# Altium PCB mppt.PcbDoc (part 2 of 3) (continued)
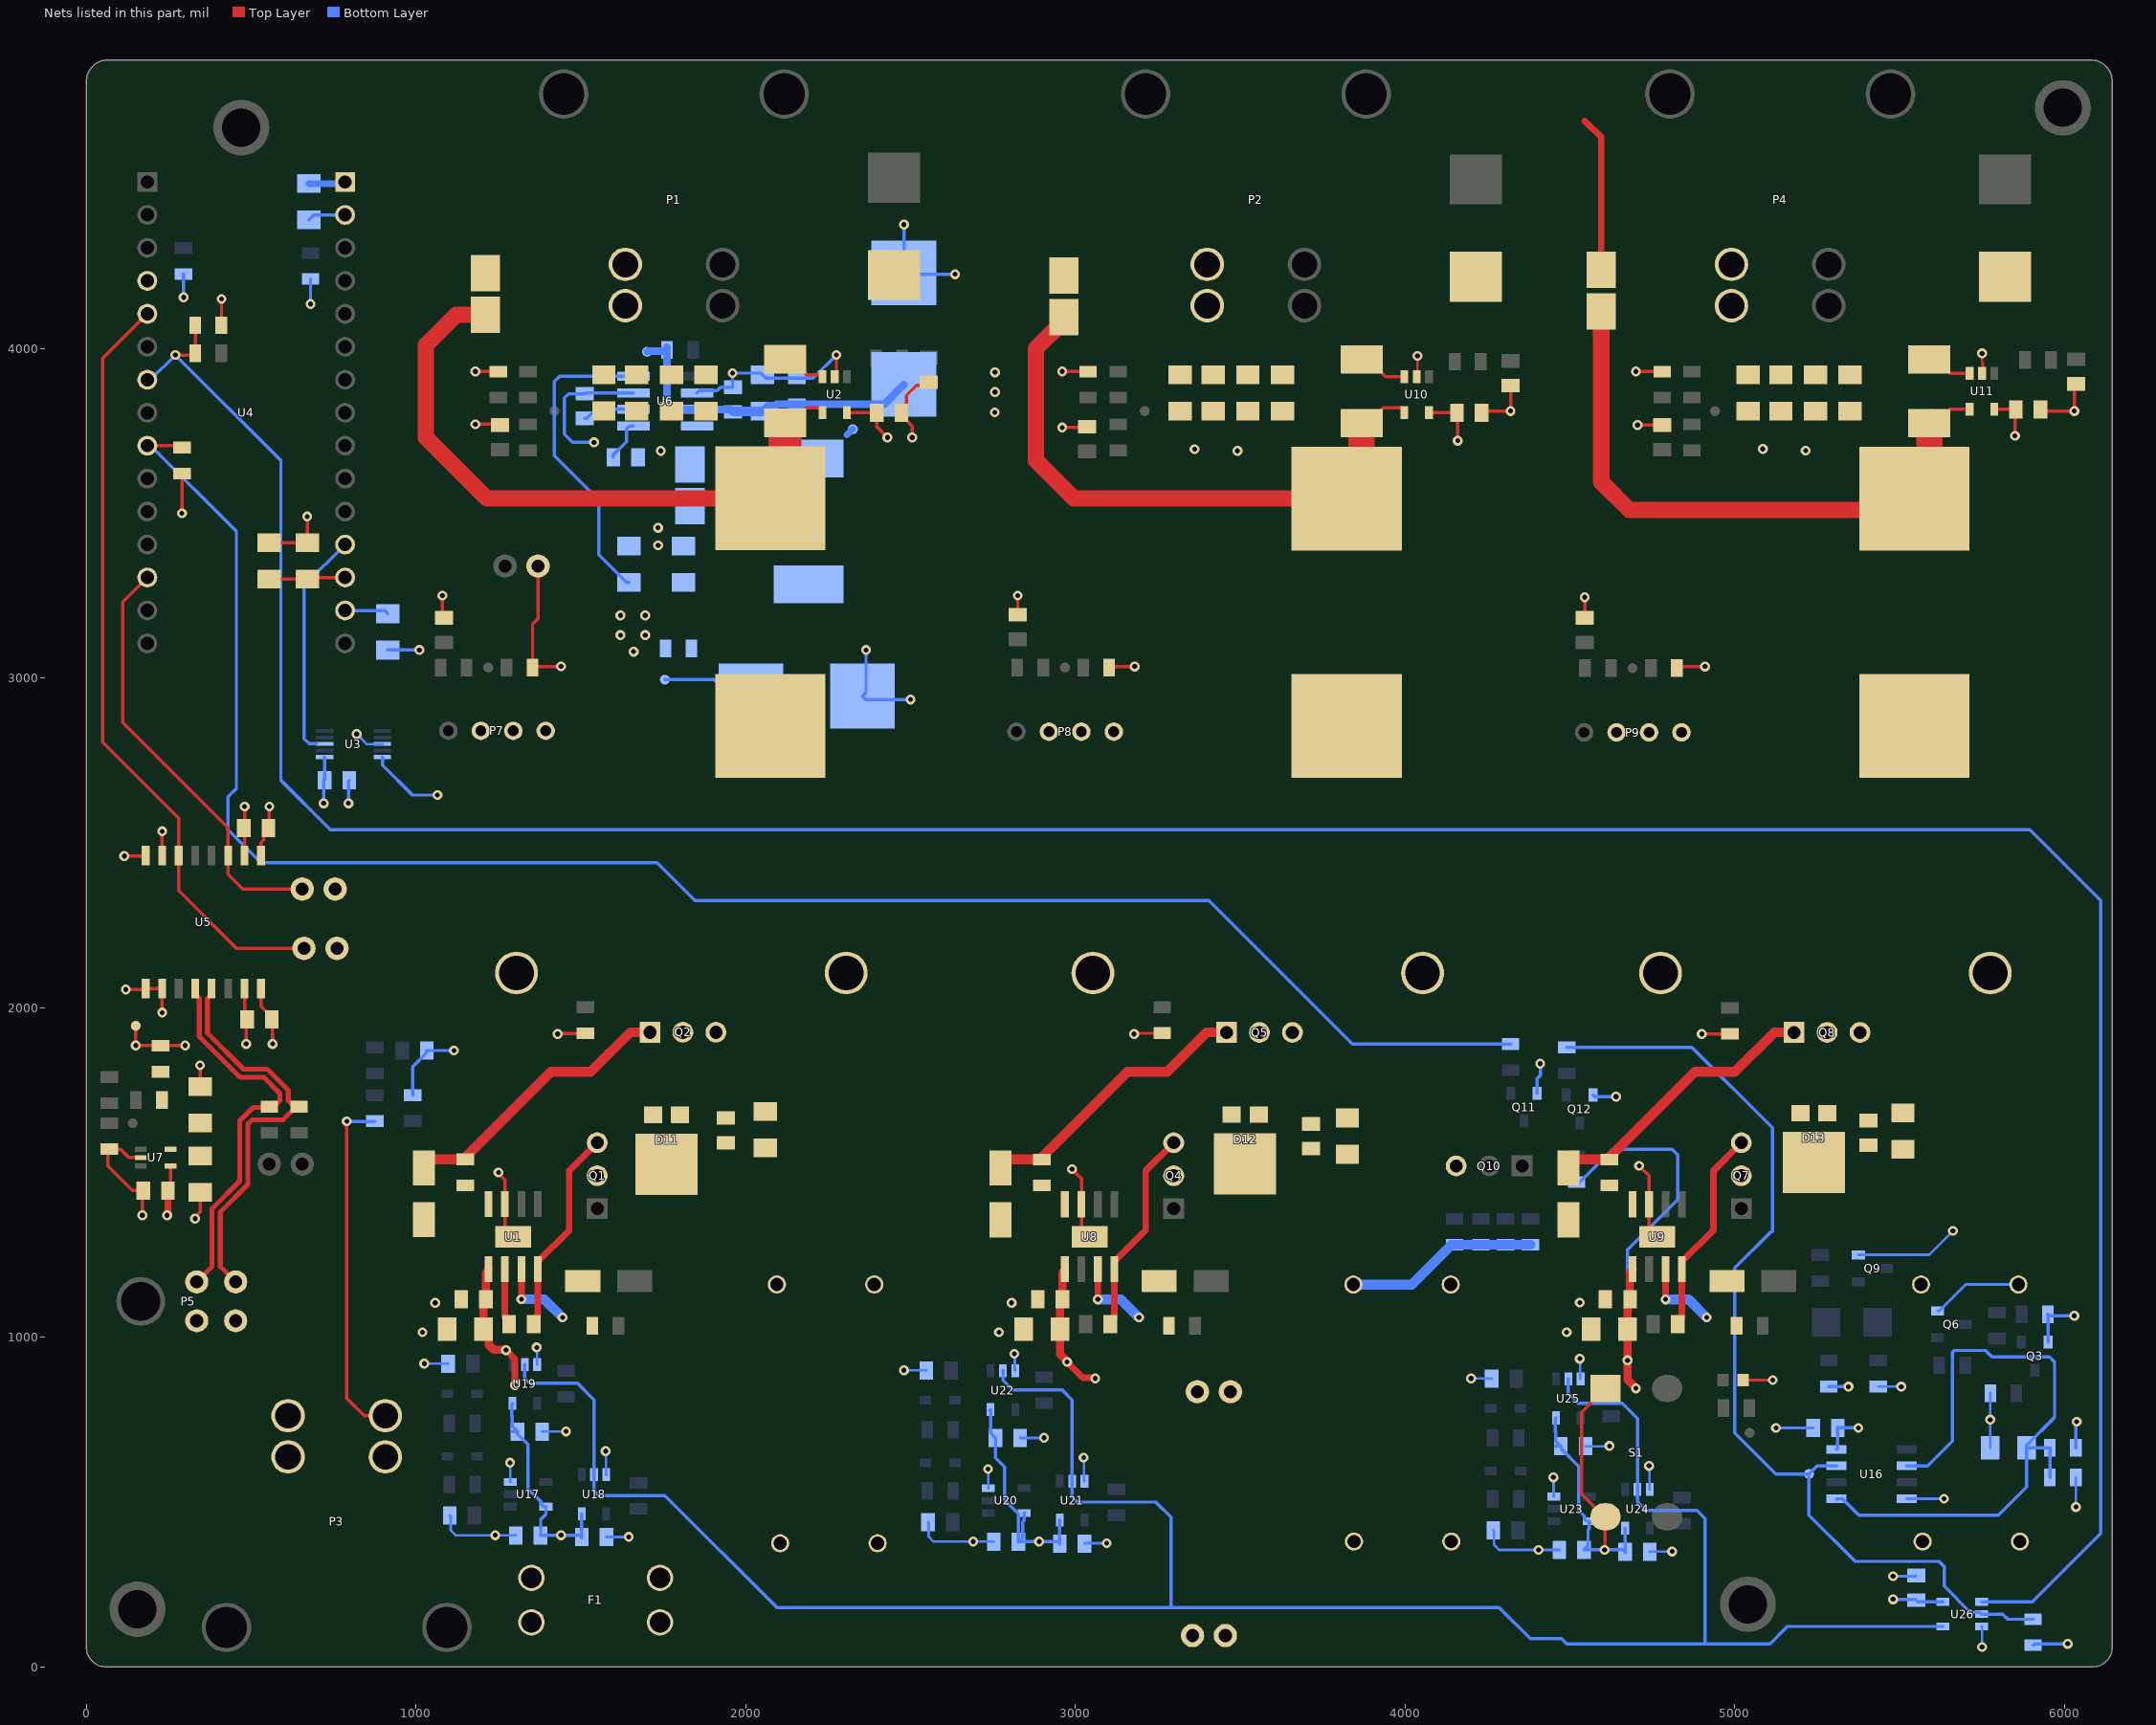
[diagram p4: the nets of this part, all layers, seen from the top]
## Part data (continued)
U17 U20 U23: "Inverter, AHC/VHC/H/U/V Series, 1-Func, 1-Input, CMOS, PDSO5", Load Capacitance (CL)=50pF, Manufacturer="Texas Instruments", Max Operating Temperature=125°C, Min Operating Temperature=-40°C, Package Body Material=Plastic, Package Code=LSSOP, Package Equivalence Code=TSOP5/6,.11,37, Package Shape=Rectangular, Package Style="SMALL OUTLINE, LOW PROFILE, SHRINK PITCHMeter", Peak Reflow Temperature (Cel)=260°C, Power Supplies=2/5.5V, Supply Voltage-Max (Vsup)=5.5V, Supply Voltage-Min (Vsup)=2V, Supply Voltage-Nom (Vsup)=3.3V, Temperature Grade=AUTOMOTIVE, Category="Logic Gates", ComponentLink1Description=https://www.ti.com:443/lit/ds/symlink/sn74ahc1g04.pdf?src-supplier=IHS+Markit, ComponentLink1URL=https://www.ti.com:443/lit/ds/symlink/sn74ahc1g04.pdf?src-supplier=IHS+Markit, ComponentLink2Description=https://datasheet.ciiva.com/15089/getdatasheetpartid-190016-15089367.pdf?src-supplier=Verical, ComponentLink2URL=https://datasheet.ciiva.com/15089/getdatasheetpartid-190016-15089367.pdf?src-supplier=Verical, ComponentLink3Description=https://datasheet.ciiva.com/6003/1633780-6003439.pdf?src-supplier=Farnell, ComponentLink3URL=https://datasheet.ciiva.com/6003/1633780-6003439.pdf?src-supplier=Farnell, ComponentLink4Description=https://datasheet.ciiva.com/6003/sn74ahc1g04-6003440.pdf?src-supplier=Farnell, ComponentLink4URL=https://datasheet.ciiva.com/6003/sn74ahc1g04-6003440.pdf?src-supplier=Farnell, ComponentLink5Description=https://datasheet.ciiva.com/41456/001016197-da-01-en-ic-inv-gate-sn-sn74ahc1g04dbvt-sot-5-tid-41456542.pdf?src-supplier=Conrad, ComponentLink5URL=https://datasheet.ciiva.com/41456/001016197-da-01-en-ic-inv-gate-sn-sn74ahc1g04dbvt-sot-5-tid-41456542.pdf?src-supplier=Conrad, ComponentLink6Description=https://datasheet.ciiva.com/14288/sn74ahc1g04-14288551.pdf?src-supplier=Avnet, ComponentLink6URL=https://datasheet.ciiva.com/14288/sn74ahc1g04-14288551.pdf?src-supplier=Avnet, ComponentLink7Description=https://datasheet.ciiva.com/14288/sn74ahc1g04-14288553.pdf?src-supplier=Avnet, ComponentLink7URL=https://datasheet.ciiva.com/14288/sn74ahc1g04-14288553.pdf?src-supplier=Avnet, ComponentLink8Description=https://datasheet.ciiva.com/7783/sn74ahc1g04-7783198.pdf?src-supplier=Element14, ComponentLink8URL=https://datasheet.ciiva.com/7783/sn74ahc1g04-7783198.pdf?src-supplier=Element14, ComponentLink9Description=https://datasheet.ciiva.com/26043/sn74ahc1g04-26043022.pdf?src-supplier=Avnet+Europe, ComponentLink9URL=https://datasheet.ciiva.com/26043/sn74ahc1g04-26043022.pdf?src-supplier=Avnet+Europe, ComponentLink10Description=https://datasheet.ciiva.com/1875/sn74ahc1g04-1875068.pdf?src-supplier=Digi-Key, ComponentLink10URL=https://datasheet.ciiva.com/1875/sn74ahc1g04-1875068.pdf?src-supplier=Digi-Key, ComponentLink11Description=https://datasheet.ciiva.com/1875/sn74ahc1g04-1875069.pdf?src-supplier=Digi-Key, ComponentLink11URL=https://datasheet.ciiva.com/1875/sn74ahc1g04-1875069.pdf?src-supplier=Digi-Key, ComponentLink12Description=https://datasheet.ciiva.com/1875/sn74ahc1g04-1875070.pdf?src-supplier=Digi-Key, ComponentLink12URL=https://datasheet.ciiva.com/1875/sn74ahc1g04-1875070.pdf?src-supplier=Digi-Key, DNP=DNP, Height - Seated (Max)=1.45mm, JESD-30 Code=R-PDSO-G5, JESD-609 Code=e4, Length=2.9mm, Logic IC Type=INVERTER, Manufacturer Part Number=SN74AHC1G04DBVT, Max I(ol)=8mA, Moisture Sensitivity Level=1, Number of Functions=1, Number of Inputs=1, Number of Pins=5, Packaging="Tape and Reel", Pricing 1="1=0.84240, 10=0.73690, 25=0.72960 (USD)", Prop. Delay@Nom-Sup=8.5ns, Propagation Delay (tpd)=12ns, Qualification Status="Not Qualified", REACH SVHC=Yes, RoHS=Yes, RoHS Compliant=Yes, Schmitt Trigger=No, Stock 1=2, Supplier 1="Arrow Electronics", Supplier Part Number 1=SN74AHC1G04DBVT, Surface Mount=Yes, Technology=CMOS, Terminal Finish=Nickel, Terminal Form="Gull Wing", Terminal Pitch=0.95mm, Terminal Position=DUAL, Width=1.6mm
U18 U19 U21 U22 U24 U25 U26: "AND Gate, 4000/14000/40000 Series, 1-Func, 2-Input, CMOS, PDSO5", Load Capacitance (CL)=50pF, Manufacturer=Rohm, Max Operating Temperature=85°C, Min Operating Temperature=-40°C, Package Body Material=Plastic, Package Code=LSSOP, Package Equivalence Code=TSOP5/6,.11,37, Package Shape=Rectangular, Package Style="SMALL OUTLINE, LOW PROFILE, SHRINK PITCHMeter", Power Supplies=3/16V, Supplier Part Number 1=BU4S81G2CT-ND, Supply Voltage-Max (Vsup)=16V, Supply Voltage-Min (Vsup)=3V, Supply Voltage-Nom (Vsup)=5V, Temperature Grade=INDUSTRIAL, Category="Logic Gates", ComponentLink1Description=https://datasheet.ciiva.com:443/pdfs/VipMasterIC/IC/ROHM/ROHM-S-A0001749750/ROHM-S-A0001749750-1.pdf?src-supplier=IHS+Markit, ComponentLink1URL=https://datasheet.ciiva.com:443/pdfs/VipMasterIC/IC/ROHM/ROHM-S-A0001749750/ROHM-S-A0001749750-1.pdf?src-supplier=IHS+Markit, ComponentLink2Description=https://datasheet.ciiva.com/12254/bu4s81g2-e-209681-12254411.pdf?src-supplier=Mouser, ComponentLink2URL=https://datasheet.ciiva.com/12254/bu4s81g2-e-209681-12254411.pdf?src-supplier=Mouser, ComponentLink3Description=https://datasheet.ciiva.com/1508/bu4s81g2-e-1508101.pdf?src-supplier=Element14, ComponentLink3URL=https://datasheet.ciiva.com/1508/bu4s81g2-e-1508101.pdf?src-supplier=Element14, ComponentLink4Description=https://datasheet.ciiva.com/1508/bu4s81g2-e-1508102.pdf?src-supplier=Element14, ComponentLink4URL=https://datasheet.ciiva.com/1508/bu4s81g2-e-1508102.pdf?src-supplier=Element14, ComponentLink5Description=https://datasheet.ciiva.com/8274/bu4s01g2-e-8274597.pdf?src-supplier=Avnet, ComponentLink5URL=https://datasheet.ciiva.com/8274/bu4s01g2-e-8274597.pdf?src-supplier=Avnet, ComponentLink6Description=https://datasheet.ciiva.com/6619/bu4s01g2-e-6619800.pdf?src-supplier=Digi-Key, ComponentLink6URL=https://datasheet.ciiva.com/6619/bu4s01g2-e-6619800.pdf?src-supplier=Digi-Key, ComponentLink7Description=https://datasheet.ciiva.com/6619/bu4s01g2-e-6619813.pdf?src-supplier=Digi-Key, ComponentLink7URL=https://datasheet.ciiva.com/6619/bu4s01g2-e-6619813.pdf?src-supplier=Digi-Key, ComponentLink8Description=https://datasheet.ciiva.com/6619/bu4s01g2-e-6619814.pdf?src-supplier=Digi-Key, ComponentLink8URL=https://datasheet.ciiva.com/6619/bu4s01g2-e-6619814.pdf?src-supplier=Digi-Key, ComponentLink9Description=https://datasheet.ciiva.com/16678/bu4s01g2-e-16678569.pdf?src-supplier=Avnet+Europe, ComponentLink9URL=https://datasheet.ciiva.com/16678/bu4s01g2-e-16678569.pdf?src-supplier=Avnet+Europe, Height - Seated (Max)=1.25mm, JESD-30 Code=R-PDSO-G5, Length=2.9mm, Logic IC Type="AND GATE", Manufacturer Part Number=BU4S81G2-TR, Moisture Sensitivity Level=1, Number of Functions=1, Number of Inputs=2, Number of Pins=5, Packaging="Tape and Reel", Pricing 1="1=0.90000, 10=0.79200, 25=0.74400, 100=0.60720, 250=0.56396, 500=0.47996, 1000=0.38397 (USD)", Qualification Status="Not Qualified", REACH SVHC=Yes, RoHS=Yes, RoHS Compliant=Yes, Schmitt Trigger=No, Stock 1=2698, Supplier 1=Digi-Key, Surface Mount=Yes, Technology=CMOS, Terminal Form="Gull Wing", Terminal Pitch=0.95mm, Terminal Position=DUAL, Width=1.6mm
  U18 U21 U24: DNP=DNP

## Via types
v1: diameter 30, hole 15, Top Layer to Bottom Layer, 154 vias

## Nets (pads, with @x,y where several pads share a name; then routed paths per layer and width w, separated by ;. In a path a pad name is that pad's centre, name@x,y a point inside that pad or via, vN(x,y) a via of type N, cw(c..) or ccw(c..) an arc to the next point about the centre after c; other vN are vias at no path point)
1P65V_REF: C70.1 R16.2 R29.1 U16.2 U16.5 | length 1973.8
  Bottom Layer w10: U16.5@5308.7,510 5326.42,510 5376.42,460 5800,460 5885.12,545.12 C70.1@5885.12,665 ; U16.2@5521.3,610 5585,610 5660,685 5660,954.14 5665.86,960 5760,960 5780,940 5955,940 5970,925 5970,756.77 5885.12,671.89 C70.1@5885.12,665 ; R29.1@5955.63,575 R16.2@5955.63,665 C70.1@5885.12,665
\M\C\U\_\D\I\S\C\A\H\R\G\E\_\C\A\P\S\: R71.2 R74.1 U4.3.9 | length 5559.9
  Top Layer w10: U4.3.9@185,3705 284.37,3705 R74.1@290,3699.37
  Bottom Layer w10: U4.3.9@185,3705 195,3705 455,3445 455,2665 430,2640 430,2540 530,2440 1731.72,2440 1846.72,2325 3405,2325 3840.63,1889.37 R71.2@4320,1889.37
\O\V\_\F\A\U\L\T\: R63.2 R72.2 TP12.1 U16.7 U26.2 | length 3042
  Bottom Layer w10: R72.2@4490,1880 4870,1880 5114.14,1635.86 5114.14,1320 5110,1320 5000,1210 5000,710 5125,585 TP12.1@5225,585 ; U16.7@5308.7,610 5250,610 TP12.1@5225,585 ; R63.2@5905,144.37 5827.99,144.37 5812.36,160 U26.2@5749.06,160 5743.43,165.63 5714.37,165.63 5635,245 5635,304.14 5619.14,320 5365,320 5225,460 TP12.1@5225,585
BATT_TELEM_OUT: F1.2 P3.2 R8.2 | length 1064.2
  Top Layer w10: v1(790,1655) 790,815 842.87,762.13 P3.2@907.01,762.13
  Bottom Layer w10: v1(790,1655) 874.37,1655 R8.2@875,1655.63
BOOST_DRV_STRING1: D2.2 Q2.1 R7.2 | length 884.5
  Top Layer w30: D2.2@1009.61,1513.94 1009.61,1521.1 D2.2@1028.07,1539.57 ; D2.2@1018.07,1539.57 1134.61,1539.57 1143.46,1539.57 1409.09,1805.2 1529.61,1805.2 1649.61,1925.2 Q2.1@1709.61,1925.2
BOOST_DRV_STRING2: D8.2 Q5.1 R28.2 | length 884.5
  Top Layer w30: D8.2@2758.19,1513.74 2758.19,1520.91 D8.2@2776.65,1539.37 ; D8.2@2766.65,1539.37 2883.19,1539.37 2892.05,1539.37 3157.68,1805 3278.19,1805 3398.19,1925 Q5.1@3458.19,1925
BOOST_DRV_STRING3: D10.2 Q8.1 R36.2 | length 884.5
  Top Layer w30: D10.2@4480,1513.74 4480,1520.91 D10.2@4498.46,1539.37 ; D10.2@4488.46,1539.37 4605,1539.37 4613.86,1539.37 4879.49,1805 5000,1805 5120,1925 Q8.1@5180,1925
BOOST_EN: U18.2 U19.2 U21.2 U22.2 U24.2 U25.2 U26.4 | length 7162.9
  Bottom Layer w10: U19.2@1330,917.8 1330,875 1345,860 1490,860 1540,810 U18.2@1540,582.8 1540,533.28 1553.28,520 1755,520 2095,180 3290,180 ; U22.2@2780,898.43 2780.4,898.02 2780.4,869.6 2810,840 2960,840 2990,810 U21.2@2990,563.43 2990,515 3005,500 3244.14,500 3290,454.14 3290,180 ; U25.2@4495,873.43 4495,830 4525,800 4658.31,800 4705,753.31 U24.2@4705,538.43 4705,500 4730,475 4885,475 4910,450 4910,70 ; U26.4@5630.94,122.6 5160,122.6 5107.4,70 4910,70 ; 3290,180 4285,180 4380,85 4475,85 4490,70 4910,70
BOOST_OUT_STRING1: C5.2 C6.2 C7.2 C34.2 C35.2 C36.2 C44.2 C45.2 C46.2 C62.2 C63.2 C64.2 D11.1 D12.1 D13.1 F1.1 P13.1 P13.2 Q1.2 Q4.2 Q7.2 R27.2 R66.2 R67.2 R68.2 R69.2 | length 647
  Bottom Layer w10: R27.2@5285,850.63 5285.63,850 v1(5345,850)
  Bottom Layer w30: C34.2@3843.19,1160 4020.51,1160 4141.14,1280.63 R66.2@4150,1280.63 R67.2@4230,1280.63 R68.2@4305,1280.63 R69.2@4380,1280.63
BOOST_STRING1: C8.2 D11.2 L1.2 Q1.3 Q2.2 U1.4 | length 629.8
  Top Layer w20: C8.2@1357.01,1040.2 1357.01,1047.09 1367.68,1057.76 1367.68,1067.54 1369.61,1069.47 1369.61,1229.75 1464.61,1324.75 1464.61,1505.2 Q1.3@1549.61,1590.2
BOOST_STRING2: C37.2 D12.2 L3.2 Q4.3 Q5.2 U8.4 | length 629.8
  Top Layer w20: C37.2@3105.59,1040 3105.59,1046.89 3116.26,1057.56 3116.26,1067.35 3118.19,1069.27 3118.19,1229.55 3213.19,1324.55 3213.19,1505 Q4.3@3298.19,1590
BOOST_STRING3: C47.2 D13.2 L4.2 Q7.3 Q8.2 U9.4 | length 629.8
  Top Layer w20: C47.2@4827.4,1040 4827.4,1046.89 4838.07,1057.56 4838.07,1067.35 4840,1069.27 4840,1229.55 4935,1324.55 4935,1505 Q7.3@5020,1590
CAN_N: P5.2 R15.1 U5.12 | length 1179.5
  Top Layer w15: U5.12@330,2058.43 330,2040.71 342.5,2028.21 342.5,1912.5 466.22,1788.78 538.31,1788.78 587.5,1739.59 587.5,1718.37 578.71,1709.59 565.22,1709.59 R15.1@555,1699.37 553.12,1697.49 505.93,1697.49 465,1656.57 465,1473.99 381.5,1390.49 381.5,1214.5 P5.2@335,1168
CAN_P: P5.4 R14.1 U5.13 | length 1238.4
  Top Layer w15: U5.13@380,2058.43 380,2040.71 367.5,2028.21 367.5,1922.86 476.58,1813.78 548.66,1813.78 612.5,1749.94 612.5,1718.37 621.29,1709.59 634.78,1709.59 640.57,1703.8 R14.1@645,1699.37 636.14,1699.37 596.77,1660 503.79,1660 490,1646.21 490,1463.63 406.5,1380.13 406.5,1214.5 P5.4@453,1168
CAN_RX: P12.2 U4.3.13 U5.3 | length 1307.3
  Top Layer w10: U4.3.13@185,3305 110,3230 110,2865 430,2545 U5.3@430,2461.57 430,2405 475,2360 P12.2@655,2360
CAN_TX: P11.2 U4.3.5 U5.6 | length 2353.7
  Top Layer w10: U4.3.5@185,4105 50,3970 50,2805 280,2575 U5.6@280,2461.57 280,2355 455,2180 P11.2@660,2180
DH_STRING1: D1.1 R5.1 U1.3 | length 239.4
  Top Layer w20: v1(1319.61,1115.2) U1.3@1319.61,1206.77
  Bottom Layer w30: v1(1319.61,1115.2) 1389.61,1115.2 v1(1444.61,1060.2)
DH_STRING2: D7.1 R26.1 U8.3 | length 239.4
  Top Layer w20: v1(3068.19,1115) U8.3@3068.19,1206.57
  Bottom Layer w30: v1(3068.19,1115) 3138.19,1115 v1(3193.19,1060)
DH_STRING3: D9.1 R34.1 U9.3 | length 239.4
  Top Layer w20: v1(4790,1115) U9.3@4790,1206.57
  Bottom Layer w30: v1(4790,1115) 4860,1115 v1(4915,1060)
DL_STRING1: D2.1 R7.1 U1.8
DL_STRING2: D8.1 R28.1 U8.8
DL_STRING3: D10.1 R36.1 U9.8
HV_3P3V: C12.1 C14.2 C15.1 C17.1 C52.1 C56.1 C60.1 C71.1 C72.2 C73.2 C75.2 C77.2 C78.2 C80.2 C82.2 C83.2 C85.2 P10.1 Q3.2 R11.2 R12.2 R16.1 R20.2 R38.2 R41.2 R44.2 R63.1 R74.2 S1.1 U2.5 U3.5 U3.6 U4.4.14 U5.1 U10.5 U11.5 U16.8 U17.5 U18.5 U19.5 U20.5 U21.5 U22.5 U23.5 U24.5 U25.5 U26.5 | length 5292.1
  Top Layer w10: v1(290,3500) R74.2@290,3620.63 ; U5.1@530,2461.57 530,2500.71 538.63,2509.33 538.63,2522.44 561.18,2545 C17.1@567.4,2545 ; v1(555,2610) 555,2542.4 C17.1@555.85,2541.56 ; v1(680,4135) v1@685.41,4135 ; P10.1@1370,3340 1370,3180 1353.37,3163.37 R38.2@1353.37,3032 1356.57,3035.2 v1(1439.61,3035.2) ; U2.5@2307.4,3805.87 2396.73,3805.87 C52.1@2397.6,3805 2397.6,3762.4 v1(2430,3730) ; R41.2@3102.53,3032.2 3105.33,3035 v1(3180,3035) ; U10.5@4072.4,3805.87 4156.73,3805.87 C56.1@4157.6,3805 4160,3802.6 v1(4160,3720) ; v1(4605,355) 4606.5,356.5 4606.5,453.74 S1.1@4607.99,455.24 4603.07,455.24 4535,523.31 4535,772.01 4566.73,803.74 4566.73,808.66 4603.07,845 S1.1@4607.99,845 ; R44.2@4824.37,3030 4829.37,3035 v1(4910,3035) ; U11.5@5787.4,3815.87 5851.73,3815.87 C60.1@5852.6,3815 5850,3812.4 v1(5850,3735)
  Bottom Layer w10: v1(295,4155) R12.2@295,4225.63 ; v1(680,4135) R11.2@680,4210.63 ; v1(720,2620) 720,2687.4 C12.1@722.6,2690 722.6,2760.28 U3.6@722.4,2760.47 ; U4.4.14@785,3205 905.12,3205 C15.1@915,3195.12 ; U3.5@897.6,2760.47 898.3,2759.77 898.3,2735.86 989.16,2645 v1(1065,2645) ; C75.2@1292.6,713.74 1291.97,714.37 C75.2@1306.97,714.37 ; U19.5@1292.6,799.69 1290,797.09 1290,759.37 1291.93,757.44 1291.93,729.41 C75.2@1306.97,714.37 ; C72.2@1377.4,398.74 C72.2@1378.03,399.37 ; U18.5@1502.6,464.69 C73.2@1502.6,393.74 ; U22.5@2742.6,780.32 2740,777.72 2742.6,775.12 2742.6,709.37 C80.2@2757.6,694.37 2757.6,634.61 2785,607.2 2785,507.17 2827.4,464.76 C77.2@2827.4,379.37 C77.2@2828.03,380 ; U20.5@2844.13,466.97 2844.13,444.13 2840,440 2840,391.97 C77.2@2828.03,380 ; U21.5@2952.6,445.32 C78.2@2952.6,374.37 ; C85.2@4457.6,669.37 4456.97,670 C85.2@4471.97,670 ; U25.5@4457.6,755.32 4455,752.72 4455,715 4456.93,713.07 4456.93,685.04 C85.2@4471.97,670 ; C82.2@4542.4,354.37 C82.2@4543.03,355 ; U24.5@4667.6,420.32 C83.2@4667.6,349.37 ; U16.8@5308.7,660 5312.4,663.7 C71.1@5312.4,725 v1(5375,725) ; v1(5480,205) 5547.6,205 C14.2@5550,202.6 5555.2,197.4 U26.5@5630.94,197.4 ; R63.1@5905,65.63 5909.37,70 v1(6010,70) ; R20.2@5949.37,1070 R20.2@5950,1069.37 ; Q3.2@5950,985 R20.2@5950,1069.37 ; v1(6030,1065) 5954.37,1065 R20.2@5950,1069.37 ; R16.1@6034.37,665 6034.37,740.87 v1(6037.07,743.57) ; C75.2@1306.97,714.37 C75.2@1307.6,713.74 1307.6,706.85 1340,674.45 1340,540.47 1379.45,501.02 1379.45,493.15 1386.26,486.34 U17.5@1394.13,486.34 1394.13,463.5 1378.03,447.4 C72.2@1378.03,399.37 ; C72.2@1378.03,399.37 v1(1440,399.37) 1496.97,399.37 C73.2@1502.6,393.74 ; C73.2@1502.6,393.74 1502.6,391.77 C73.2@1502.6,393.74 ; C77.2@2828.03,380 v1(2890,380) 2946.97,380 C78.2@2952.6,374.37 ; C78.2@2952.6,374.37 2952.6,372.4 C78.2@2952.6,374.37 ; C85.2@4471.97,670 C85.2@4472.6,669.37 4472.6,662.48 4526.45,608.63 4526.45,474.65 4544.45,456.65 4544.45,448.78 4551.26,441.97 U23.5@4559.13,441.97 4559.13,419.13 4555,415 4555,366.97 C82.2@4543.03,355 ; C82.2@4543.03,355 v1(4605,355) 4661.97,355 C83.2@4667.6,349.37 ; C83.2@4667.6,349.37 4667.6,347.4 C83.2@4667.6,349.37
HV_12P0V: C9.1 C10.2 C13.1 C38.1 C39.2 C48.1 C49.2 R17.1 R70.2 U1.1 U4.4.1 U8.1 U9.1 | length 2350.3
  Top Layer w20: v1(1272.95,961.22) 1300,934.16 v1(1300,855) ; v1(2975,925) 3023.09,876.91 3058.09,876.91 v1(3060,875)
  Top Layer w25: C9.1@1204.72,1018.31 C9.1@1204.72,1025.2 ; U1.1@1219.61,1206.77 ccw(c1237.95,1188.43) 1212.01,1188.43 C10.2@1212.01,1115.2 1212.01,1100.2 ccw(c1229.59,1082.61) 1204.72,1082.61 C9.1@1204.72,1025.2 ; v1(1272.95,961.22) 1271.99,962.18 1235.41,962.18 1220.77,976.82 1220.77,1009.15 C9.1@1204.72,1025.2 ; U8.1@2968.19,1206.57 ccw(c2986.53,1188.23) 2960.59,1188.23 C39.2@2960.59,1115 2960.59,1100 ccw(c2978.17,1082.42) 2953.31,1082.42 C38.1@2953.31,1025 2953.25,1024.94 2953.25,948.11 2975,926.35 v1(2975,925) ; U9.1@4690,1206.57 ccw(c4708.34,1188.23) 4682.4,1188.23 C49.2@4682.4,1115 4682.4,1100 ccw(c4699.99,1082.42) 4675.12,1082.42 C48.1@4675.12,1025 4675.12,1010 4675.06,1009.94 4675.06,930.06 v1(4675,930) 4675,871.35 4700,846.35 v1(4700,845)
  Bottom Layer w10: R70.2@4525.31,1465.32 4630,1570 4810,1570 4827.5,1552.5 4827.5,1417.5 4675,1265 v1(4675,930)
  Bottom Layer w20: C13.1@675,4500.12 780.12,4500.12 U4.4.1@785,4505
  other v1: 1660,3080 1620,3130 1695,3130 1620,3190 1695,3190
HV_GND: C1.1 C2.1 C3.2 C4.2 C5.1 C6.1 C7.1 C9.2 C10.1 C11.2 C12.2 C13.2 C14.1 C15.2 C16.1 C17.2 C19.2 C21.2 C22.2 C23.2 C24.1 C25.2 C26.2 C30.1 C31.1 C32.2 C33.2 C34.1 C35.1 C36.1 C38.2 C39.1 C40.1 C41.1 C42.2 C43.2 C44.1 C45.1 C46.1 C48.2 C49.1 C51.2 C52.2 C53.2 C55.2 C56.2 C57.2 C59.2 C60.2 C61.2 C62.1 C63.1 C64.1 C65.2 C67.2 C68.2 C69.2 C70.2 C71.2 C72.1 C73.1 C74.1 C75.1 C76.1 C77.1 C78.1 C79.1 C80.1 C81.1 C82.1 C83.1 C84.1 C85.1 C86.1 D6.2 HS1.0 HS1.1 HS2.0 HS2.1 HS3.0 HS3.1 LED1.2 P1.2 P2.2 P3.1 P4.2 P7.2 P7.3 P7.4 P8.2 P8.3 P8.4 P9.2 P9.3 P9.4 P11.1 P12.1 P14.1 P14.2 Q2.3 Q5.3 Q6.2 Q8.3 Q9.2 Q10.3 Q11.2 Q12.2 R4.2 R9.1 R10.2 R25.2 R29.2 R33.2 R37.2 R47.2 R65.2 TH1.1 TH2.1 TH3.1 U1.7 U1.9 U2.2 U3.3 U4.3.4 U4.4.2 U5.2 U5.7 U5.8 U6.3 U6.6 U8.7 U8.9 U9.7 U9.9 U10.2 U11.2 U16.4 U17.3 U18.3 U19.3 U20.3 U21.3 U22.3 U23.3 U24.3 U25.3 U26.3 | length 8537.3
  Top Layer w8: U2.2@2275,3907.59 v1(2275,3980) ; v1(4037.5,3977.5) 4037.5,3909.71 U10.2@4041.5,3905.72 ; LED1.2@5025.51,870 v1(5115,870) ; v1(5750,3985) 5750,3958 5752.41,3955.59 U11.2@5752.41,3937.35 ; C60.2@5927.4,3815 C60.2@5930,3812.4
  Top Layer w10: v1(115,2460) 178.43,2460 U5.8@180,2461.57 ; U5.7@230,2461.57 v1(230,2535) ; R65.2@409.37,4070 410,4070.63 v1(410,4150) ; C17.2@477.6,2545 480,2547.4 v1(480,2610) ; U5.2@480,2461.57 480,2532.4 C17.2@490.6,2543 ; C11.2@555,3410.12 C16.1@670,3410.12 v1(670,3490) ; C11.2@565,3402.4 C11.2@567.4,3400 ; v1(1080,3250) 1080,3187.4 C51.2@1085,3182.4 ; v1(1180,3770) 1252.4,3770 C53.2@1255,3767.4 ; v1(1180,3930) 1249.37,3930 R4.2@1250,3929.37 ; v1(1250,1500) 1250,1496.79 1269.61,1477.18 U1.7@1269.61,1403.62 1269.61,1330.2 U1.9@1294.61,1305.2 ; v1@1429,1922 1513.37,1922 TH1.1@1514,1922.63 ; TH1.1@1513.98,1920.2 TH1.1@1514.61,1920.83 ; v1(2505,3730) 2505.51,3730.51 2505.51,3765 2472.4,3798.11 C52.2@2472.4,3805 2488.07,3820.67 2488.07,3858.07 2518.3,3888.3 2545.7,3888.3 C57.2@2555,3897.6 ; C55.2@2825,3192.4 v1(2825,3250) ; v1(2960,3760) 3032.6,3760 C61.2@3035,3762.4 ; v1(2960,3930) 3027.56,3930 R25.2@3028.19,3929.37 ; v1(2990,1510) 3018.19,1481.81 U8.7@3018.19,1403.43 3018.19,1330 U8.9@3043.19,1305 ; v1@3178.16,1922.2 3262.53,1922.2 TH2.1@3263.16,1922.83 ; TH2.1@3262.56,1920 TH2.1@3263.19,1920.63 ; C56.2@4232.4,3805 4237.4,3810 v1(4320,3810) C67.2@4320,3887.6 ; C59.2@4545,3182.4 v1(4545,3245) ; v1(4700,3930) 4779.37,3930 R33.2@4780,3929.37 ; v1(4705,3767.4) C68.2@4780,3767.4 ; v1(4710,1520) 4740,1490 U9.7@4740,1403.43 4740,1330 U9.9@4765,1305 ; v1(4900,1920) 4984.37,1920 TH3.1@4985,1920.63 ; C60.2@5930,3812.4 5932.4,3810 v1(6030,3810) 6030,3887.6 C69.2@6035,3892.6
  Bottom Layer w8: v1(820,2830) 850.16,2799.84 U3.3@897.6,2799.84 ; v1(1025,920) 1096.34,920 C76.1@1097.6,918.74 ; C74.1@1102.6,458.74 1105,456.34 1105,414.37 1120,399.37 v1(1240,399.37) 1301.97,399.37 C72.1@1302.6,398.74 ; v1(1285,619.37) 1285.87,618.5 U17.3@1285.87,561.14 ; v1(1366.1,969.09) 1367.4,967.78 U19.3@1367.4,917.8 ; C75.1@1382.4,713.74 1439.37,713.74 ; v1@1440,714.37 1439.37,713.74 ; v1@1454.37,713.74 1439.37,713.74 ; v1(1575,654.37) 1576.2,653.17 1576.2,584 U18.3@1577.4,582.8 ; C73.1@1577.4,393.74 1578.03,394.37 v1(1645,394.37) ; v1(2480,900) 2546.97,900 C81.1@2547.6,899.37 ; C79.1@2552.6,439.37 2555,436.97 2555,395 2570,380 v1(2690,380) 2751.97,380 C77.1@2752.6,379.37 ; v1(2735,600) 2735.87,599.13 U20.3@2735.87,541.77 ; v1(2815,950) 2816.2,948.8 2816.2,899.63 U22.3@2817.4,898.43 ; C80.1@2832.4,694.37 2889.37,694.37 ; v1@2890,695 2889.37,694.37 ; v1@2904.37,694.37 2889.37,694.37 ; v1(3025,635) 3026.2,633.8 3026.2,564.63 U21.3@3027.4,563.43 ; C78.1@3027.4,374.37 3028.03,375 v1(3095,375) ; v1(4200,875) 4261.97,875 C86.1@4262.6,874.37 ; C84.1@4267.6,414.37 4270,411.97 4270,370 4285,355 v1(4405,355) 4466.97,355 C82.1@4467.6,354.37 ; v1(4450,575) 4450.87,574.13 U23.3@4450.87,516.77 ; v1(4530,935) 4531.2,933.8 4531.2,874.63 U25.3@4532.4,873.43 ; C85.1@4547.4,669.37 4604.37,669.37 ; v1@4605,670 4604.37,669.37 ; v1@4619.37,669.37 4604.37,669.37 ; v1(4740,610) 4741.2,608.8 4741.2,539.63 U24.3@4742.4,538.43 ; C83.1@4742.4,349.37 4743.03,350 v1(4810,350) ; v1(5125,725) C71.2@5237.6,725 ; Q9.2@5375,1250 5590,1250 5661.42,1321.42 v1(5661.42,1323.07) ; R47.2@5435,850.63 5504.37,850.63 v1(5505,850) ; v1(5480,275) 5547.6,275 C14.1@5550,277.4 ; U16.4@5521.3,510 v1(5635,510) ; Q6.2@5615,1080 5620.91,1080 5700.91,1160 C44.1@5860.28,1160 ; U26.3@5749.06,122.6 5750,121.65 v1(5750,60) ; C70.2@5774.88,665 5775,665.12 v1(5775,750) 5775,829.37 R37.2@5775.63,830 ; R29.2@6034.37,575 6034.37,485.63 v1(6035,485)
  Bottom Layer w10: C13.2@675,4389.88 690.12,4405 U4.4.2@785,4405 ; v1(795,2620) 795,2687.6 C12.2@797.4,2690 ; C15.2@915,3084.88 915.12,3085 v1(1010,3085) ; R9.1@990,1734.37 990,1820.71 1032.4,1863.11 C19.2@1032.4,1870 v1(1115,1870) ; v1(1540,3715) 1475,3715 1450,3740 1450,3850 1462.4,3862.4 C26.2@1510.95,3862.4 1513.55,3865 U6.3@1659.49,3865 ; U6.6@1852.41,3865 1859.63,3872.22 1913.63,3872.22 1923.81,3882.4 C65.2@1960.95,3882.4 1960,3883.35 v1(1960,3925) 2046.07,3925 C21.2@2050.95,3920.12 2061.7,3909.37 R10.2@2155,3909.37 2204.37,3909.37 v1(2275,3980) ; v1(2365,3085) 2365,2955.71 C23.2@2354.29,2945 2364.29,2935 v1(2500,2935) ; v1(2480,4375.71) C22.2@2480,4229.29 2484.29,4225 v1(2635,4225) ; Q11.2@4401.1,1740 4401.1,1785.69 4410,1794.59 v1(4410,1830) ; Q12.2@4570,1735 4575,1730 v1(4640,1730)
  other v1: 4620,670 2905,695 1455,714.37 1019.61,1015.2 2768.19,1015 4490,1015 2806.57,1104.33 1057.99,1104.53 4530,1105 1429.61,1920.2 3178.19,1920 1734.32,3402.53 1734.08,3455.84 1742.41,3689.13 3491.57,3689.33 5215,3690 3361.57,3694.33 5085,3695
I_SC_IN_NEG_STRING1: D3.2 L1.1 R1.2 U2.4 | length 2033
  Top Layer w10: R1.2@2074.61,3735.43 2112.91,3773.74 2140.28,3773.74 2178.58,3812.05 2178.58,3814.14 2184.44,3820 2225.79,3820 2232.6,3813.19 U2.4@2232.6,3805.87
  Top Layer w50: D3.2@1210,4102.01 1122.01,4102.01 1030,4010 1030,3730 1215.16,3544.84 L1.1@2074.61,3544.84
  Top Layer w100: L1.1@2074.61,3544.84 2119.61,3589.84 R1.2@2119.61,3735.43
I_SC_IN_NEG_STRING2: D4.2 L3.1 R22.2 U10.4 | length 1868.9
  Top Layer w10: D4.2@2965,4084.37 D4.2@2965,4095 ; L3.1@3823.19,3544.65 L3.1@3868.19,3589.65 ; R22.2@3868.19,3773.54 3888.86,3773.54 3927.17,3811.85 3927.17,3814.14 3933.02,3820 3990.79,3820 3997.6,3813.19 U10.4@3997.6,3805.87
  Top Layer w50: D4.2@2965,4084.37 2880,3999.37 2880,3660 2995.35,3544.65 L3.1@3823.19,3544.65
  Top Layer w80: L3.1@3868.19,3589.65 R22.2@3868.19,3773.54
I_SC_IN_NEG_STRING3: D5.2 L4.1 R30.2 U11.4 | length 1904.2
  Top Layer w10: L4.1@5545,3544.65 L4.1@5590,3589.65 ; R30.2@5593.31,3776.85 5613.98,3776.85 5652.99,3815.87 U11.4@5712.6,3815.87
  Top Layer w50: D5.2@4595,4112.01 4595,3595 4680,3510 L4.1@5510.35,3510
  Top Layer w80: L4.1@5510.35,3510 L4.1@5545,3544.65 ; L4.1@5590,3589.65 R30.2@5590,3773.54 R30.2@5593.31,3776.85
I_SC_IN_POS_STRING1: C1.2 C2.2 C3.1 C4.1 L5.2 R1.1 U2.3 | length 130
  Top Layer w10: R1.1@2119.61,3966.65 2140.28,3966.65 2178.58,3928.35 2178.58,3926.42 2185,3920 U2.3@2229.19,3920
I_SC_IN_POS_STRING2: C30.2 C31.2 C32.1 C33.1 L6.2 R22.1 U10.3 | length 143.5
  Top Layer w10: R22.1@3868.19,3966.46 3888.86,3966.46 3941.18,3914.13 U10.3@3990,3914.13
I_SC_IN_POS_STRING3: C40.2 C41.2 C42.1 C43.1 L7.2 R30.1 U11.3 | length 132.5
  Top Layer w10: R30.1@5590,3966.46 5610.67,3966.46 5652.99,3924.13 U11.3@5705,3924.13
LV_5P0V: C18.1 R19.1 TP8.1 U5.16 | length 392
  Top Layer w10: TP8.1@150,1945 v1(150,1885) 224.37,1885 R19.1@225,1884.37 225.63,1885 v1(300,1885) ; U5.16@530,2058.43 530,2004.29 562.4,1971.89 C18.1@562.4,1965 ; C18.1@560,1962.6 565,1957.6 v1(565,1890)
LV_12P0V: C27.1 P5.3 U7.4 | length 153.7
  Top Layer w10: v1(245,1370) 245,1375 v1@247.4,1377.4 ; C27.1@247.4,1445 255.28,1452.87 U7.4@255.28,1519.41
  Top Layer w20: v1@247.4,1377.4 C27.1@247.4,1445
LV_GND: C18.2 C27.2 C28.1 C29.2 P5.1 R21.1 U5.9 U5.10 U5.15 U7.2 | length 883.1
  Top Layer w10: v1(120,2055) 176.57,2055 U5.9@180,2058.43 U5.10@230,2058.43 v1(230,1985) ; U7.2@164.72,1545 129.49,1545 103.86,1570.63 65,1570.63 65,1520 140,1445 C27.2@172.6,1445 ; v1(170,1370) C27.2@170,1445 ; v1(330,1360) 330,1365.41 345,1380.41 C28.1@345,1439.88 ; C29.2@345,1760.12 v1(345,1825) ; U5.15@480,2058.43 480,1972.6 C18.2@487.6,1965 485,1962.4 v1(485,1890)
MCU_BOOST_EN: R6.1 R65.1 U4.3.7 U26.1 | length 9724.4
  Top Layer w10: v1(270,3980) 325.63,3980 R6.1@330.63,3985 R65.1@330.63,4070
  Bottom Layer w10: U4.3.7@185,3905 195,3905 v1(270,3980) 590,3660 590,2690 740,2540 5895,2540 6110,2325 6110,405 5902.4,197.4 U26.1@5749.06,197.4
MUXED_THERM_TELEM: U3.8 U4.4.12 | length 683.7
  Bottom Layer w10: U3.8@697.65,2800.62 676.09,2800.62 660.86,2815.86 660.86,3280.86 U4.4.12@785,3405
NetC8_1: C8.1 U1.2 | length 171.8
  Top Layer w20: U1.2@1269.61,1206.77 1269.61,1059.69 1282.2,1047.09 C8.1@1282.2,1040.2
NetC11_1: C11.1 C16.2 U4.4.13 | length 232.1
  Top Layer w10: C11.1@555,3299.88 C16.2@670,3299.88 675.12,3305 U4.4.13@785,3305
NetC20_1: C20.1 U6.1 | length 127.2
  Bottom Layer w10: C20.1@1598.55,3670 1598.55,3676.89 1638.78,3717.12 1638.78,3756.22 1647.56,3765 U6.1@1659.49,3765
NetC20_2: C20.2 D6.1 L2.1 TP6.1 U6.8 | length 24.7
  Bottom Layer w20: 2307.5,3737.5 TP6.1@2325,3755
NetC21_1: C21.1 C22.1 C65.1 D3.1 D4.1 D5.1 R10.1 R18.1 TP5.1 U6.7 | length 1472.3
  Top Layer w20: 4545,4690 4595,4640 D5.1@4595,4237.99
  Bottom Layer w23: TP5.1@1700.95,3990 1702.86,3991.91 1758.49,3991.91 R18.1@1761.58,3995 ; R18.1@1761.58,4003.86 R18.1@1761.58,3995 ; C65.1@1962.09,3808.74 C65.1@1960.95,3807.6 1953.55,3815 U6.7@1852.41,3815 1775,3815 1761.58,3828.42 R18.1@1761.58,3995 ; C21.1@2049.81,3808.74 C21.1@2050.95,3809.88 2067.99,3826.93 2090.22,3826.93 2093.93,3830.63 R10.1@2155,3830.63 2419.92,3830.63 C22.1@2480,3890.71
  Bottom Layer w30: C65.1@1962.09,3808.74 C21.1@2049.81,3808.74
  other v1: 2755.34,3806.23 2755.99,3867.68 2755.99,3927.68
NetC23_1: C23.1 C24.2 C25.1 L2.2 R17.2 TP7.1 U6.4 | length 1117.6
  Bottom Layer w10: C25.1@1645.95,3289.88 1639.06,3289.88 1555,3373.94 1555,3540 1420,3675 1420,3900 1435,3915 U6.4@1659.49,3915 ; TP7.1@1755,2995 1905,2995 1915,2985
NetC26_1: C26.1 U6.2 | length 159.9
  Bottom Layer w10: C26.1@1510.95,3787.6 1517.84,3787.6 1545.24,3815 U6.2@1659.49,3815
NetC28_2: C28.2 C29.1 R19.2 R62.2 U7.5